# Allegro board H616_REF_DDR4_16X4_V2_0_20200729.brd (continued)
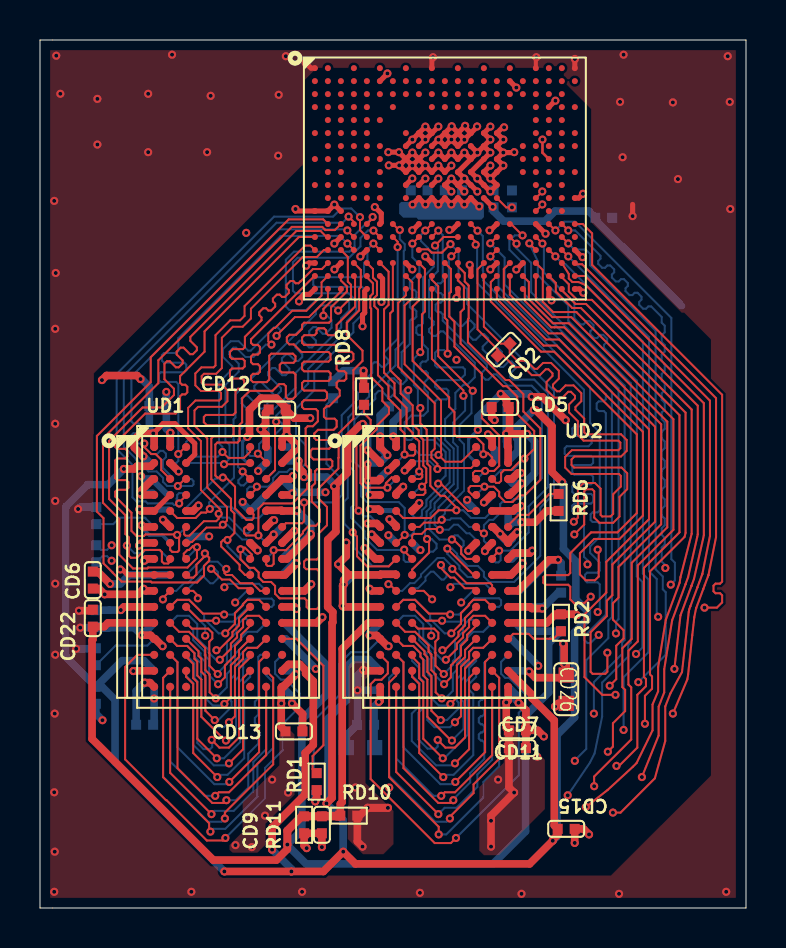
[diagram p0: board, top side]
## Routing (per net, layer and track width the routed paths; a pad name or vN(x,y) marks a point on that pad's centre or on a via; arc(x,y) is an arc through that point) (continued)
SDQ25: length 24.7
  TOP w0.102: UD2.H2 17.44,17.09 16.36,17.09 15.85,17.6 15.85,18.59 15.65,18.8 15.65,18.8 v1(15.64,18.8) ; v1(17.88,33.07) 17.88,33.34 U1.P7
  BOTTOM w0.102: 15.65,18.8 15.65,18.78 15.72,18.7 15.72,18.01 16.62,17.12 17.46,17.12 UD2.H2 ; 15.65,18.8 15.21,19.23 15.21,20.35 15.39,20.52 15.39,21.74 15.09,22.05 15.09,24.66 15.9,25.47 15.9,25.78 15.7,25.98 15.7,26.29 15.9,26.49 16.32,26.49 16.61,26.78 16.61,27.2 16.71,27.31 16.86,27.31 17.08,27.08 17.23,27.08 17.42,27.28 17.42,27.42 17.2,27.65 17.2,27.79 17.88,28.48 v1(17.88,33.07) ; 15.65,18.8 v1(15.64,18.8)
SDQ26: length 21.5
  TOP w0.102: U1.N7 17.94,33.93 v1(17.99,33.93) ; UD2.H3 18.21,17.87 v1(18.21,17.93)
  BOTTOM w0.102: 18.2,17.92 18.19,17.91 18.19,17.42 18.29,17.32 18.46,17.32 UD2.H3 ; 18.2,17.92 v1(18.21,17.93) ; 18.2,17.92 16.86,17.92 16.23,18.55 16.23,18.85 15.55,19.53 15.55,20.03 15.7,20.18 15.7,21.87 15.42,22.15 15.42,24.56 16.46,25.6 16.46,25.83 17.78,27.15 17.78,27.94 18.19,28.35 18.19,32.87 18.24,32.92 18.24,33.22 17.99,33.47 v1(17.99,33.93)
SDQ27: length 22.8
  TOP w0.102: v1(18.24,18.67) 17.84,18.27 UD2.G2 ; U1.P9 18.62,33.25 v1(18.62,33.24)
  BOTTOM w0.102: v1(18.62,33.24) 18.62,32.56 18.97,32.21 18.97,31.81 18.49,31.33 18.49,31.03 18.6,30.93 18.72,30.93 18.82,30.83 18.82,30.55 18.72,30.45 18.6,30.45 18.49,30.35 18.49,30.07 18.6,29.96 18.72,29.96 18.82,29.86 18.82,29.58 18.72,29.48 18.6,29.48 18.49,29.38 18.49,28.22 18.39,28.12 18.08,27.81 18.08,26.8 18.33,26.55 18.33,26.41 18.14,26.21 17.99,26.21 17.7,26.5 17.56,26.5 17.42,26.36 17.42,26.22 17.73,25.9 17.73,25.76 17.54,25.56 17.39,25.56 17.08,25.88 16.94,25.88 16.76,25.7 16.76,25.5 16.76,25.47 15.72,24.43 15.72,22.33 16.05,22 16.05,20.6 16.34,20.31 17.94,20.31 18.24,20.02 v1(18.24,18.67) 18.26,18.64 18.54,18.64 18.69,18.8 18.69,18.99 UD4.F7
SDQ28: length 23.4
  TOP w0.102: v1(22.2,18.75) 22.13,18.75 UD2.F7 ; U1.P10 v1(19.92,33.9)
  BOTTOM w0.102: UD4.G2 22.3,18.27 22.2,18.37 v1(22.2,18.75) 22.2,19.16 22.46,19.42 22.66,19.42 23.01,19.77 23.01,20.21 23.11,20.32 23.56,20.32 23.71,20.47 24.05,20.47 25.1,21.51 25.1,25.63 24.59,26.14 23.39,26.14 22.83,26.7 22.69,26.7 22.43,26.44 22.28,26.44 22.08,26.63 22.08,26.78 22.35,27.04 22.35,27.18 20.14,29.39 20.14,29.71 20.04,29.81 19.89,29.81 19.79,29.91 19.79,30.19 19.89,30.29 20.04,30.29 20.14,30.39 20.14,30.67 20.04,30.77 19.89,30.77 19.79,30.88 19.79,31.16 19.89,31.26 20.04,31.26 20.14,31.36 20.14,33.68 v1(19.92,33.9)
SDQ29: length 23.5
  TOP w0.102: v1(19.35,18.47) 19.46,18.36 19.46,17.78 18.61,16.93 UD2.J3 ; U1.U11 20.25,29.53 20.37,29.41 20.37,27.75 v1(20.39,27.74)
  BOTTOM w0.102: v1(20.39,27.74) 20.21,27.91 19.89,27.91 19.76,27.79 19.76,27.15 19.86,27.05 21.15,27.05 21.25,26.95 21.25,26.69 20.98,26.42 19.86,26.42 19.76,26.31 19.76,26.09 19.86,25.98 20.32,25.98 20.42,25.88 20.42,25.55 20.32,25.45 19.86,25.45 19.76,25.35 19.76,23.63 20.49,22.9 20.49,21.29 19.56,20.37 19.56,20.36 19.53,20.33 19.53,20.03 19.33,19.84 19.33,19.47 19.25,19.39 19.25,18.57 v1(19.35,18.47) 19.58,18.47 19.83,18.22 19.83,18 19.66,17.83 19.51,17.83 18.61,16.93 UD2.J3
SDQ30: length 24.4
  TOP w0.102: v1(20.6,18.44) 20.64,18.39 20.72,18.39 21.06,18.05 21.06,17.73 21.32,17.47 UD2.H7 ; v1(19.76,33.15) 20.18,33.58 U1.P12
  BOTTOM w0.102: UD2.H7 21.32,17.47 21.06,17.73 21.06,18.02 21.18,18.14 21.18,18.36 20.9,18.64 20.74,18.64 20.6,18.51 v1(20.6,18.44) 19.98,18.44 19.48,18.93 19.48,19.33 19.53,19.38 19.53,19.75 19.73,19.95 19.73,20.25 19.76,20.28 19.76,20.28 20.69,21.21 20.69,22.99 20.26,23.42 20.26,24.46 20.77,24.98 20.77,25.78 21.18,26.19 21.37,26.19 21.74,26.56 21.74,27.28 20.17,28.85 20.03,28.85 19.8,28.63 19.66,28.63 19.46,28.83 19.46,28.97 19.69,29.19 19.69,29.34 19.46,29.57 19.46,31.43 19.89,31.86 19.89,33.01 v1(19.76,33.15)
SDQ31: length 24.6
  TOP w0.102: U1.R12 20.58,32.61 v1(20.57,32.61) ; UD2.H8 22.61,17.53 v1(22.96,17.88)
  BOTTOM w0.102: UD2.H8 22.78,17.3 22.93,17.3 23.03,17.4 23.03,17.81 v1(22.96,17.88) 23.52,17.88 24.43,18.79 24.43,20.09 25.4,21.06 25.4,25.76 24.71,26.44 23.65,26.44 23.5,26.59 23.5,26.73 23.78,27 23.78,27.15 23.58,27.35 23.44,27.35 23.16,27.07 23.02,27.07 22.82,27.27 22.82,27.41 23.1,27.69 23.1,27.83 22.9,28.03 22.75,28.03 22.48,27.75 22.34,27.75 22.14,27.95 22.14,28.09 22.41,28.37 22.41,28.51 22.22,28.71 22.07,28.71 21.8,28.44 21.65,28.44 21.46,28.63 21.46,28.78 21.73,29.05 21.73,29.2 21.53,29.39 21.39,29.39 21.11,29.12 20.97,29.12 20.44,29.64 20.44,32.48 v1(20.57,32.61)
SDQM0: length 30
  TOP w0.102: UD1.E7 10.68,19.7 10.68,19.5 10.59,19.42 10.33,19.42 9.75,19.99 9.75,21.08 9.3,21.54 v1(9.14,21.54) 8.87,21.54 8.77,21.64 8.77,23.19 8.87,23.29 9.88,23.29 9.98,23.39 9.98,24.18 10.11,24.31 10.11,25.5 10.49,25.88 11.63,25.88 11.96,26.21 12.19,26.21 12.29,26.11 12.29,25.58 12.4,25.48 12.65,25.48 12.78,25.6 12.78,26.7 12.67,26.8 12.09,26.8 11.99,26.9 11.99,27.18 12.09,27.28 12.67,27.28 12.78,27.38 12.78,27.61 12.65,27.74 11.56,27.74 11.46,27.64 11.46,26.44 11.34,26.31 10.65,26.31 10.55,26.42 10.55,26.63 10.65,26.73 10.9,26.73 11,26.83 11,27.11 10.9,27.21 10.65,27.21 10.55,27.31 10.55,27.59 10.65,27.69 10.9,27.69 11,27.8 11,28.08 10.9,28.18 10.65,28.18 10.55,28.28 10.55,28.45 13.72,31.63 U1.U1
  BOTTOM w0.102: UD3.E7 7.31,20.03 8.77,21.49 9.09,21.49 v1(9.14,21.54)
SDQM1: length 22.6
  TOP w0.102: v1(8.49,19.97) 8.31,19.79 8.05,19.79 7.78,19.52 6.86,19.52 UD1.E2 ; v1(14.91,29.9) 15.55,30.54 15.55,31.18 15.39,31.34 15.39,32.58 U1.R3
  BOTTOM w0.102: UD3.E2 10.96,19.52 10.13,19.52 9.56,20.08 8.6,20.08 v1(8.49,19.97) 8.46,20 8.46,20.29 9.7,21.54 9.7,23.4 9.68,23.42 9.68,24.45 9.78,24.55 9.78,25.7 13.79,29.72 13.79,29.9 14.04,30.15 14.66,30.15 v1(14.91,29.9)
SDQM2: length 19.2
  TOP w0.102: U1.T9 19.25,31.97 19.25,29.85 19.1,29.7 19.1,27.9 v1(19.02,27.81) ; v1(19.02,25.02) 19.02,24.25 19.33,23.94 19.33,23.61 19.37,23.57 19.37,22.23 19.52,22.08 19.52,21.12 20.02,20.62 20.24,20.62 20.82,20.05 v1(20.82,19.9) 19.93,19.9 19.54,19.52 18.16,19.52 UD2.E2
  BOTTOM w0.102: v1(19.02,25.02) 18.9,25.14 18.9,25.96 18.69,26.17 18.69,27.49 v1(19.02,27.81) ; v1(20.82,19.9) 21.17,19.9 21.55,19.52 22.26,19.52 UD4.E2
SDQM3: length 23.9
  TOP w0.102: v1(19.91,21.23) 20.05,21.23 21.41,19.87 UD2.E7 ; U1.N10 v1(19.27,33.9)
  BOTTOM w0.102: v1(19.27,33.9) 19.05,33.68 19.05,33.38 19.4,33.02 19.4,33 19.69,32.71 19.69,32.09 19.15,31.55 19.15,29.26 19.05,29.16 18.92,29.16 18.82,29.06 18.82,28.78 18.92,28.68 19.05,28.68 19.15,28.57 19.15,28.22 19.4,27.97 19.4,27.45 19.3,27.34 19.13,27.34 19.02,27.24 19.02,26.96 19.13,26.86 19.3,26.86 19.4,26.76 19.4,26.48 19.23,26.31 19.23,25.96 19.4,25.79 19.4,24.86 19.17,24.64 18.57,24.64 18.24,24.31 18.24,23.55 18.36,23.42 18.56,23.42 18.66,23.52 18.66,24.05 18.77,24.16 18.97,24.16 19.07,24.05 19.07,23.52 19.17,23.42 19.68,23.42 20.28,22.82 20.28,21.63 19.91,21.26 v1(19.91,21.23) 19.91,21.02 19.55,20.65 19.35,20.45 19.35,20.45 19.32,20.41 19.32,20.12 19.1,19.9 19.1,19.63 19,19.53 18.75,19.53 18.61,19.67 UD4.E7
SDQS0N: length 25.1
  TOP w0.097: UD1.F3 7.21,18.97 7.21,18.7 7.28,18.63 7.47,18.63 8.2,19.35 8.81,19.35 8.94,19.48 v1(8.94,19.73) 9.02,19.81 9.02,19.94 8.05,20.91 8.05,23.36 7.41,24 7.41,25.03 7.77,25.39 8.96,25.39 9.06,25.49 9.06,25.77 8.96,25.87 8.05,25.87 7.77,26.15 7.77,26.75 8.07,27.05 8.68,27.05 8.78,27.15 8.78,28.66 9.52,29.4 10.01,29.4 10.23,29.63 10.23,30.12 13.26,33.15 13.52,33.15 U1.R1
  BOTTOM w0.097: UD3.F3 10.51,18.85 10.41,18.76 10.24,18.76 9.46,19.54 9.13,19.54 v1(8.94,19.73)
SDQS0P: length 24.7
  TOP w0.097: UD1.G3 7.35,18.31 7.6,18.31 8.33,19.04 9,19.04 v1(9.14,19.18) 9.35,19.39 9.35,20.06 8.36,21.05 8.36,23.5 7.72,24.14 7.72,24.9 7.91,25.08 9.09,25.08 9.37,25.36 9.37,25.91 9.09,26.19 8.18,26.19 8.09,26.29 8.09,26.62 8.2,26.73 8.81,26.73 9.09,27.02 9.09,28.53 9.65,29.09 10.14,29.09 10.55,29.5 10.55,29.99 13.14,32.58 13.85,32.58 14.2,32.93 U1.R2
  BOTTOM w0.097: UD3.G3 10.34,18.44 10.11,18.44 9.36,19.18 v1(9.14,19.18)
SDQS1N: length 18.4
  TOP w0.097: U1.V2 14.4,30.51 13.45,29.57 12.75,29.57 11.83,28.65 v1(11.83,28.63) ; v1(9.12,22.82) 9.42,22.52 10.2,22.52 10.51,22.83 UD1.A7
  BOTTOM w0.097: UD3.A7 7.31,23.32 7.41,23.42 7.59,23.42 7.71,23.3 7.71,22.67 7.79,22.59 8.89,22.59 v1(9.12,22.82) 9.12,23.08 8.96,23.25 8.96,26.3 9.62,26.97 9.62,27.1 9.15,27.57 9.15,27.97 9.54,28.36 9.94,28.36 10.41,27.89 10.54,27.89 11.7,29.05 11.88,29.05 12,28.94 12,28.8 v1(11.83,28.63)
SDQS1P: length 17.4
  TOP w0.097: v1(9.2,22.21) 10.45,22.21 UD1.B7 ; U1.U2 14.08,31.31 14.08,30.64 13.32,29.88 12.61,29.88 11.75,29.02 11.69,29.02 11.42,28.75 11.42,28.35 v1(11.57,28.19)
  BOTTOM w0.097: UD3.B7 9.14,22.27 v1(9.2,22.21) 9.48,22.48 9.48,23.17 9.27,23.38 9.27,26.17 9.94,26.84 9.94,27.24 9.47,27.7 9.47,27.84 9.67,28.04 9.81,28.04 10.27,27.57 10.67,27.57 11.29,28.19 v1(11.57,28.19)
SDQS2N: length 13.9
  TOP w0.097: U1.U8 18.62,31.3 18.62,30.53 18.23,30.14 18.23,27.21 20.06,25.38 20.06,22.85 19.93,22.72 v1(19.93,22.67) 20.27,22.33 21.07,22.33 UD2.A7
  BOTTOM w0.097: UD4.A7 19.01,22.67 v1(19.93,22.67)
SDQS2P: length 13.6
  TOP w0.097: U1.V8 18.3,30.66 17.91,30.28 17.91,27.08 18.1,26.89 19.74,25.25 19.74,22.98 19.57,22.82 19.57,22.53 19.88,22.22 v1(19.88,21.97) 19.92,22.01 21.56,22.01 UD2.B7
  BOTTOM w0.097: UD4.B7 18.7,22.36 19.49,22.36 v1(19.88,21.97)
SDQS3N: length 17.4
  TOP w0.097: v1(20.09,19.42) 20.03,19.42 19.89,19.28 19.2,19.28 18.99,19.07 UD2.F3 ; v1(21.64,25.88) 19.91,27.61 19.91,31.11 19.6,31.43 U1.U10
  BOTTOM w0.097: UD4.F3 21.46,19.07 21.03,19.5 20.57,19.5 20.49,19.42 v1(20.09,19.42) 20.09,19.58 20.25,19.73 20.25,19.92 21.02,20.69 21.02,20.69 21.21,20.88 21.21,23.2 20.98,23.43 20.98,24.16 21.58,24.76 21.58,25.82 v1(21.64,25.88)
SDQS3P: length 18
  TOP w0.097: UD2.G3 18.61,18.64 18.69,18.72 19.09,18.72 19.33,18.97 19.84,18.97 19.89,18.92 v1(19.99,18.92) ; v1(21.18,25.63) 21.18,25.9 19.6,27.48 U1.V10
  BOTTOM w0.097: v1(21.18,25.63) 21.26,25.54 21.26,24.89 20.66,24.3 20.66,23.3 20.89,23.07 20.89,21.01 19.93,20.05 19.93,19.87 19.73,19.67 19.73,19.18 v1(19.99,18.92) 20,18.93 20.45,18.93 20.7,19.18 20.9,19.18 21.33,18.75 21.48,18.75 21.81,18.42 UD4.G3
SODT0: length 54
  TOP w0.102: v1(33.23,15.03) 33.85,15.03 34.11,15.29 34.11,15.65 34.01,15.75 33.78,15.75 33.68,15.85 33.68,16.13 33.78,16.23 34.01,16.23 34.11,16.33 34.11,25.68 27.61,32.18 27.61,33.76 27.14,34.23 U1.N21 ; UD1.K3 7.66,15.87 7.89,15.64 v1(7.89,15.5) ; UD2.K3 19.19,15.87 19.61,15.45 v1(19.61,15.45)
  POWER03 w0.102: v1(33.23,15.03) 32.44,15.83 32.44,16.81 31.8,17.45 30.99,17.45 30.18,16.64 27.62,16.64 27.61,16.64 27.15,16.64 27.14,16.64 26.65,16.64 26.45,16.44 24.79,16.44 23.99,15.65 23.99,15.65 23.98,15.64 20.91,15.64 20.77,15.49 19.71,15.49 19.66,15.45 v1(19.61,15.45) 19.58,15.42 17,15.42 16.8,15.21 16.17,15.21 15.81,15.57 15.7,15.67 14.76,15.67 14.66,15.57 9.98,15.57 9.91,15.64 9.61,15.64 9.46,15.49 7.9,15.49 v1(7.89,15.5)
SODT1: length 47.7
  TOP w0.102: U1.N20 v1(26.42,33.9)
  POWER03 w0.102: v1(9.76,15.29) 9.79,15.32 14.84,15.32 14.99,15.47 15.46,15.47 15.92,15.01 17.03,15.01 17.21,15.19 19.36,15.19 19.46,15.09 19.74,15.09 19.79,15.14 19.8,15.14 19.95,15.29 v1(21.06,15.29) 22.94,15.29 22.98,15.33 23.99,15.33 24.8,16.14 26.58,16.14 26.78,16.34 30.6,16.34 v1(31.27,17.01)
  BOTTOM w0.102: v1(31.27,17.01) 31.27,17.16 31.09,17.34 31.09,18.04 31.24,18.19 31.24,18.52 31.09,18.67 31.09,19 31.24,19.15 31.24,19.48 31.09,19.64 31.09,19.97 31.24,20.12 31.24,20.45 31.09,20.6 31.09,20.93 31.24,21.08 31.24,21.42 31.09,21.57 31.09,21.9 31.24,22.05 31.24,22.38 31.09,22.53 31.09,22.86 31.24,23.02 31.24,23.35 31.09,23.5 31.09,23.83 31.24,23.98 31.24,24.31 31.09,24.46 31.09,24.79 31.24,24.95 31.24,25.28 31.09,25.43 31.09,25.76 31.24,25.91 31.24,26.24 31.09,26.39 31.09,26.72 31.24,26.88 31.24,27.21 31.09,27.36 31.09,27.69 31.24,27.84 31.24,28.17 31.09,28.32 31.09,28.65 31.24,28.81 31.24,29.14 31.09,29.29 31.09,29.58 30.56,30.1 30.42,30.1 30.3,29.99 30.16,29.99 29.96,30.18 29.96,30.33 30.08,30.44 30.08,30.59 29.88,30.78 29.74,30.78 29.62,30.67 29.48,30.67 29.28,30.87 29.28,31.01 29.4,31.13 29.4,31.27 29.2,31.47 29.06,31.47 28.94,31.35 28.8,31.35 28.6,31.55 28.6,31.69 28.71,31.81 28.71,31.95 28.52,32.15 28.37,32.15 28.26,32.03 28.11,32.03 27.92,32.23 27.92,32.38 28.03,32.49 28.03,32.64 26.76,33.9 v1(26.42,33.9) ; UD4.K3 21.64,15.87 v1(21.06,15.29) ; UD3.K3 10.34,15.87 v1(9.76,15.29)
SRAS: length 58.2
  TOP w0.102: v1(9.27,13.74) 9.75,14.23 9.75,14.75 10.16,15.16 10.16,15.21 10.36,15.42 10.96,15.42 UD1.L8 ; v1(20.57,13.74) 21.05,14.23 21.05,14.75 21.46,15.16 21.46,15.21 21.66,15.42 22.26,15.42 UD2.L8 ; U1.N13 v1(21.88,33.89)
  POWER03 w0.102: v1(9.27,13.74) 9.32,13.79 15.83,13.79 16.34,13.28 16.68,13.28 17.19,13.79 17.39,13.79 17.58,13.98 19.71,13.98 19.95,13.74 v1(20.57,13.74) 23.24,13.74 23.7,14.2 24.99,14.2 25.4,14.61 25.98,14.61 26.39,15.01 27,15.01 27.19,14.81 v1(27.89,14.81)
  BOTTOM w0.102: v1(27.89,14.81) 27.99,14.91 27.99,16.19 27.89,16.3 27.36,16.3 27.25,16.4 27.25,16.68 27.36,16.78 27.89,16.78 27.99,16.88 27.99,17.29 27.51,17.77 27.51,18.09 27.99,18.57 27.99,19.21 27.89,19.31 27.64,19.31 27.53,19.42 27.53,19.7 27.64,19.8 27.89,19.8 27.99,19.9 27.99,23.8 27.51,24.28 27.51,26.06 22.16,31.41 22.16,31.88 22.14,31.89 22.14,33.63 v1(21.88,33.89) ; UD4.L8 18.16,15.42 18.76,15.42 19.51,14.67 19.51,14.47 20.24,13.74 v1(20.57,13.74) ; v1(9.27,13.74) 8.94,13.74 8.21,14.47 8.21,14.67 7.45,15.42 6.86,15.42 UD3.L8
SRST: length 100.2
  TOP w0.102: v1(20.8,3.51) 20.55,3.25 19.74,3.25 16.54,6.45 16.54,11.2 16.76,11.42 17.08,11.42 17.39,11.74 17.39,12.29 UD2.P1 ; v1(28.65,4.78) 29.03,4.78 30.75,6.49 31.27,8.36 31.27,10.08 31.52,10.73 32.11,11.81 32.44,14.82 32.47,14.95 32.53,15.1 32.87,16.04 32.87,16.05 33.11,16.69 33.13,16.72 33.5,18.61 33.5,25.39 27.26,31.63 U1.U21 ; v1(9.27,3.51) 9.14,3.38 8.34,3.38 6.32,5.4 6.3,5.4 4.26,7.44 4.26,12.06 4.87,12.67 UD1.P1
  POWER03 w0.102: v1(9.27,3.51) 9.37,3.61 19.36,3.61 19.63,3.33 20.09,3.33 20.26,3.51 v1(20.8,3.51) 23.74,3.51 24.9,4.67 28.55,4.67 v1(28.65,4.78)
  BOTTOM w0.102: UD3.P1 11.76,12.32 11.76,11.72 12.05,11.43 12.29,11.43 12.98,10.74 12.98,10.06 12.13,9.21 12.13,7.89 11.25,7.01 11.25,5.49 v1(9.27,3.51) ; v1(20.8,3.51) 23.94,6.64 23.94,9.77 24.29,10.12 24.29,10.68 23.94,11.03 23.94,11.04 23.46,11.52 23.26,11.52 23.06,11.72 23.06,12.32 UD4.P1
SVREF: length 76.4
  TOP w0.381: v1(12.37,3.17) 12.37,2.95 11.82,2.4 8.67,2.4 2.6,8.46 2.6,13.4 2.64,13.43 CD22.1 3.21,14.08 3.4,14.27 UD1.M1 ; UD2.M1 16.41,14.27 15.11,12.97 15.11,5.3 15.02,5.21 RD10.1 14.13,4.62 CD9.1
  TOP w0.406: v1(12.37,3.17) 12.37,3.87 13.09,4.59 RD11.2 CD9.1 14.99,4.59 RD10.1
  BOTTOM w0.381: UD4.M1 23.78,14.27 24.2,13.85 CD23.1 25.96,13.75 25.95,13.75 25.44,13.25 25.44,10.78 24.28,9.63 24.28,3.84 22.66,2.21 13.31,2.21 12.37,3.15 v1(12.37,3.17) 13.1,3.9 13.1,9.44 14.31,10.66 14.31,12.18 12.22,14.27 UD3.M1
SWE: length 59.2
  TOP w0.102: v1(9.21,14.68) 9.16,14.73 8.14,14.73 7.45,15.42 6.86,15.42 UD1.L2 ; U1.N19 25.76,33.91 25.77,33.91 v1(25.78,33.9) ; v1(20.51,14.68) 20.46,14.73 19.45,14.73 18.76,15.42 18.16,15.42 UD2.L2
  POWER03 w0.102: v1(9.21,14.68) 9.29,14.61 13.67,14.61 13.98,14.91 14.35,14.91 14.63,14.63 15.26,14.63 15.39,14.51 17.1,14.51 17.3,14.71 19.24,14.71 19.34,14.61 19.83,14.61 19.96,14.73 20.46,14.73 v1(20.51,14.68) 23.18,14.68 23.42,14.93 24.16,14.93 24.97,15.73 27.19,15.73 27.39,15.93 27.69,15.93 27.98,15.64 30.73,15.64 31.34,16.25 31.48,16.25 31.54,16.18 v1(31.54,16.18)
  BOTTOM w0.102: v1(25.78,33.9) 26.21,34.34 26.76,34.34 31.57,29.53 31.57,17.46 31.75,17.28 31.75,16.39 31.54,16.18 v1(31.54,16.18) ; v1(9.21,14.68) 9.66,14.68 10.12,15.14 10.12,15.17 10.42,15.48 11.58,15.48 11.68,15.38 11.68,15.17 11.58,15.07 UD3.L2 ; v1(20.51,14.68) 20.96,14.68 21.42,15.14 21.42,15.17 21.74,15.5 22.96,15.5 23.06,15.4 23.06,15.17 22.96,15.07 UD4.L2
VPP-DRAM: length 135.5
  TOP w0.381: v1(14.33,5.23) 14.61,5.51 14.61,14.26 14.64,14.3 14.64,14.81 14.39,15.06 14.39,18.43 14.8,18.83 14.8,21.02 v1(14.71,21.11) 15.37,21.77 15.37,22.34 15.38,22.36 15.38,23.53 16,24.16 16.07,24.16 v1(16.14,24.22) ; v1(24.69,24.92) 24.79,24.92 25.6,24.1 25.6,21.82 v1(26.11,21.31) ; v1(13.2,21.56) 13.14,21.62 13.14,21.82 12.93,22.04 v1(12.93,22.38) ; UD2.R9 24.6,10.68 24.6,10.5 25.72,9.39 25.72,4.13 CD15.1 25.89,3.66 25.64,3.42 v1(25.64,3.37) 24.49,2.21 15.77,2.21 v1(15.16,2.82) 14.17,1.83 v1(12.57,1.83) v1(9.22,1.83) ; UD1.R9 12.43,12.19 12.99,12.19 13.28,11.9 13.28,11.73 13.67,11.35 13.67,8.16 13.26,7.76 13.26,5.69 11.61,4.04 v1(11.61,2.92) ; UD1.B1 5.55,22.1 4.85,22.1 4.72,21.97 v1(4.19,21.97) ; UD2.B1 17.01,22.28 v1(16.38,22.91)
  BOTTOM w0.381: UD4.R9 16.45,12.43 15.7,12.43 15.33,12.06 15.33,10.4 14.41,9.48 14.41,5.32 v1(14.33,5.23) 15.16,4.39 v1(15.16,2.82) ; UD3.R9 5.2,12.38 4.1,12.38 CD14.1 ; v1(16.14,24.22) 16.38,23.98 v1(16.38,22.91) ; v1(12.93,22.38) 12.22,22.38 UD3.B1 ; v1(11.61,2.92) 12.57,1.96 v1(12.57,1.83) ; CD14.1 1.29,12.57 1.29,20.09 2.39,21.18 3.4,21.18 v1(4.19,21.97) ; CD14.1 3.11,11.07 3.75,10.42 3.75,7.3 v1(9.22,1.83) ; v1(26.11,21.31) 26.17,21.25 26.17,17.97 26.8,17.35 26.8,15.44 27.37,14.87 27.37,14.44 26.73,13.8 26.73,9.54 25.86,8.66 25.86,3.58 v1(25.64,3.37) ; UD4.B1 23.41,22.37 23.9,22.86 23.9,23.44 23.84,23.51 23.84,23.94 23.85,23.95 23.85,24.08 v1(24.69,24.92) ; v1(13.2,21.56) 14.34,21.56 14.72,21.18 14.72,21.12 v1(14.71,21.11)
N18052512: length 9.5
  TOP w0.102: UD1.F9 12.29,19.25 13.11,19.25 13.21,19.35 v1(13.21,20.29)
  BOTTOM w0.102: v1(13.21,20.29) 14.73,20.29 15.09,20.65 15.09,21.46 14.33,22.23 14.33,25.18 RD5.1
N18052630: length 3.3
  TOP w0.102: RD6.1 25.47,20.72 24.43,19.67 23.94,19.67 23.41,19.14 UD2.F9
N18052713: length 3.2
  BOTTOM w0.102: UD3.F9 5.28,19.5 5.27,19.5 5.24,19.53 3.99,19.53 3.66,19.21 RD7.1
N18052826: length 7.2
  TOP w0.102: v1(15.93,19.88) 15.82,19.98 15.82,23.37 16.54,24.08 16.54,24.42 16.21,24.75 RD8.1
  BOTTOM w0.102: UD4.F9 17.01,19.12 16.52,19.6 16.21,19.6 v1(15.93,19.88)
N18053786: length 0.9
  TOP w0.102: U1.L15 23.32,35.06 v1(23.6,35.06)
N18054719: length 3
  TOP w0.102: RD2.1 25.68,13.47 24.68,13.47 24.44,13.72 23.66,13.72 UD2.N9
N18054961: length 8.3
  TOP w0.102: RD1.1 13.63,6.95 13.63,7.61 14.17,8.15 14.17,12.12 12.83,13.47 UD1.N9
N18055202: length 3.5
  BOTTOM w0.102: RD3.1 3.78,13.13 5.37,13.13 UD3.N9
N18055488: length 8.6
  BOTTOM w0.102: RD4.1 13.69,6.9 13.69,9.37 14.96,10.64 14.96,12.22 15.55,12.8 16.34,12.8 UD4.N9

## Copper pours and planes (outline as drawn; the poured copper is in the pictures)
GND on TOP: 0.51,0.51 34.8,0.51 34.8,42.93 0.51,42.93 ; 1 cut-out
GND on BOTTOM: 34.8,0.51 34.8,42.93 0.51,42.93 0.51,0.51 ; 1 cut-out
GND on GND02: 34.8,0.51 34.8,42.93 0.51,42.93 0.51,0.51
GND on POWER03: 14.91,19.76 14.91,20.32 15.21,20.62 15.21,21.49 15.11,21.59 15.11,21.72 14.88,21.95 14.88,24.82 15.11,25.04 15.11,25.88 17.83,28.6 17.83,34.16 18.36,34.7 20.5,34.7 21.18,34.01 21.18,31.93 21.67,31.45 21.67,30.25 25.91,26.01 25.91,19.91 25.73,19.74 18.87,19.74 17.53,18.39 16.28,18.39
GND on POWER03: 3.58,19.58 3.58,27.36 11.53,35.31 16.69,35.31 16.79,35.2 16.79,33.12 16.64,32.97 16.64,32.54 16.65,32.52 16.65,32.42 16.37,32.14 16.37,29.25 13.97,26.85 13.97,25.98 13.16,25.17 13.16,23.47 13.56,23.06 13.56,21.46 13.4,21.3 12.66,21.3 12.29,20.93 12.29,20.19 12.06,19.96 12.06,18.75 11.81,18.49 11.51,18.49 11.18,18.82 10.82,18.82 10.59,18.59 9.53,18.59 9.25,18.87 9.12,18.87 8.28,19.71 5.97,19.71 5.28,19.02 4.85,19.02 4.52,19.35 3.81,19.35
GND on POWER03: 0.51,0.51 34.8,0.51 34.8,42.93 0.51,42.93
VCC-DRAM on BOTTOM (solid shape): 22.2,35.23 22.2,34.57 22.07,34.44 18.92,34.44 18.82,34.54 18.16,34.54 17.96,34.75 17.96,35.23 18.06,35.33 22.1,35.33
VCC-DRAM on TOP: 9.47,2.92 9.47,3.15 10.13,3.81 10.13,5.31 11.96,7.14 11.96,8.69 12.17,8.89 12.52,8.89 12.73,8.69 12.73,5.66 11.28,4.22 11.28,3.17 10.87,2.77 9.63,2.77
VCC-DRAM on TOP: 17.68,3.2 17.68,4.85 16.28,6.25 16.28,11.46 16.54,11.71 16.54,12.09 16.28,12.34 15.65,12.34 15.39,12.09 15.39,3.45 16.15,2.69 17.17,2.69
VCC-DRAM on TOP: 21.97,2.87 21.97,6.05 23.19,7.26 23.19,8.89 23.39,9.09 23.77,9.09 23.88,8.99 23.88,7.72 24,7.59 25.07,7.59 25.25,7.42 25.25,4.95 22.94,2.64 22.2,2.64
VCC-DRAM on BOTTOM: 9.47,2.82 9.47,3.2 11.51,5.23 11.51,6.6 11.63,6.73 12.14,6.73 12.73,6.15 12.73,4.55 10.9,2.72 9.58,2.72
VCC-DRAM on BOTTOM: 16.03,15.82 16.03,17.22 16,17.22 15.49,17.73 15.49,18.39 15.19,18.69 14.27,18.69 13.34,17.75 13.13,17.75 12.7,17.32 12.7,17.25 13.23,16.71 13.56,16.71 13.97,16.31 13.97,15.98 13.46,15.47 12.62,15.47 12.5,15.34 12.5,14.73 13.82,13.41 14.86,13.41 16.56,15.11 16.56,15.29
VCC-DRAM on BOTTOM: 15.82,2.9 15.82,4.6 14.88,5.54 14.88,9.04 15.39,9.55 16.03,9.55 16.15,9.42 16.15,7.29 17.17,6.27 17.55,6.27 17.68,6.15 17.68,4.11 16.33,2.77 15.95,2.77
VCC-DRAM on BOTTOM: 21.84,2.95 21.84,4.19 23.62,5.97 23.88,5.97 23.95,5.89 23.95,4.09 22.68,2.82 21.97,2.82
VCC-DRAM on POWER03: 3.53,36.12 26.59,36.12 34.57,28.14 34.62,28.14 34.62,3.15 32.87,1.4 1.49,1.4 1.12,1.77 1.12,33.71 ; 1 cut-out
VDD-CPU on BOTTOM: 16.93,37.14 17.21,36.86 20.75,36.86 20.85,36.96 20.85,37.39 20.75,37.49 19.63,37.49 19.5,37.62 19.5,37.87 19.25,38.13 17.04,38.13 16.93,38.01
VDD-GPU on BOTTOM: 19.33,38.25 18.61,38.25 18.02,38.84 18.02,39.48 18.03,39.5 18.03,39.93 18.14,40.03 19.84,40.03 20.17,39.7 20.17,39.09
VDD-SYS on BOTTOM: 19.68,38.35 19.68,38.56 20.52,39.4 22,39.4 22.1,39.29 22.1,38.94 21.31,38.15 19.89,38.15
(no net) on BOTTOM: 22.1,35.33 22.2,35.23 22.2,34.57 22.07,34.44 18.92,34.44 18.82,34.54 18.16,34.54 17.96,34.75 17.96,35.23 18.06,35.33
